# Altium PCB PCB1.PcbDoc (continued)
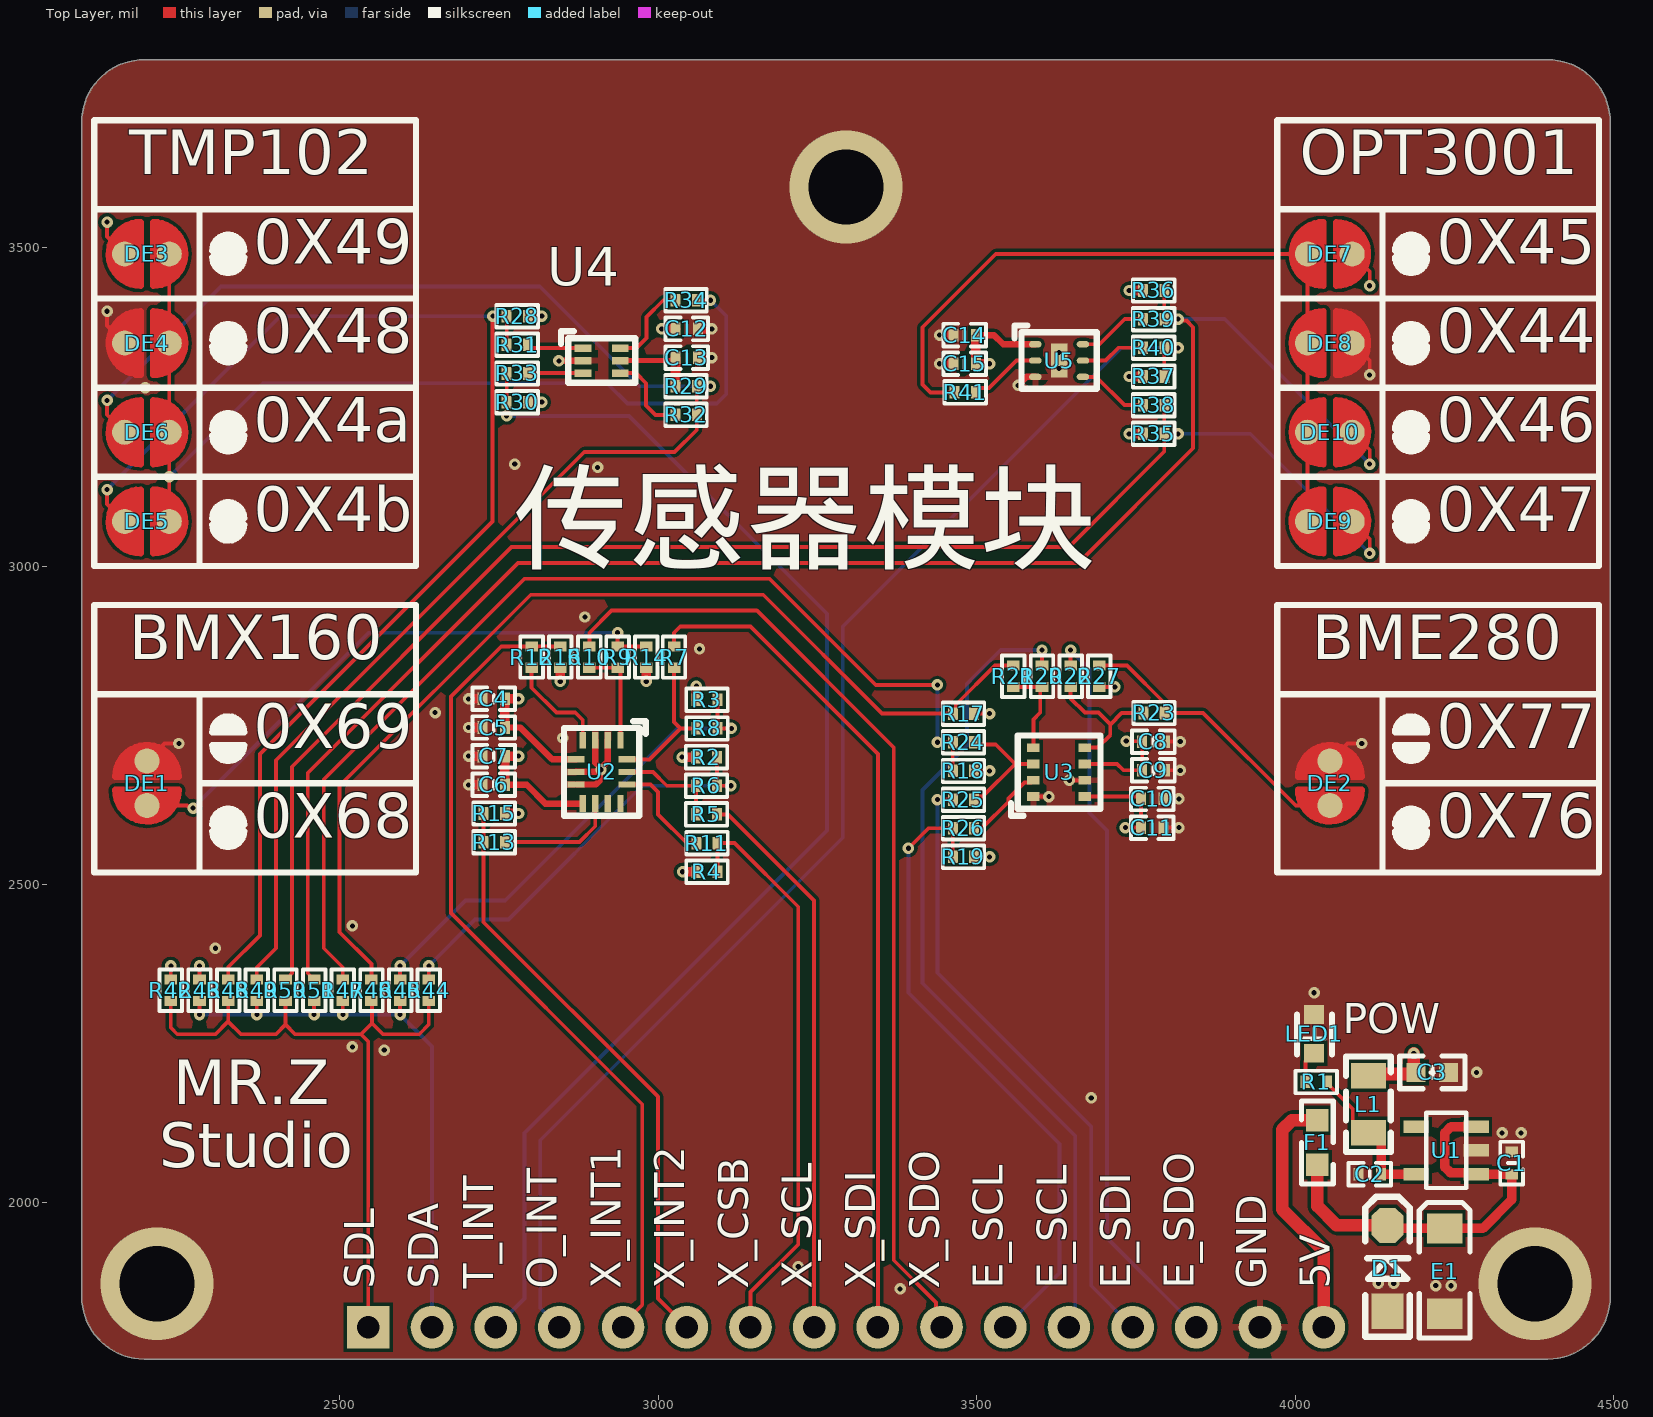
[diagram p0: Top Layer view]
## Components (designator, comment, footprint, x,y, rotation, side; value= is the part's Value field where it differs from the comment) (continued)
R32 "0" "R 0402_L" 3045,3237.28 r180 top
R33 "0" "R 0402_L" 2778.03,3302.29 r0 top
R34 "0" "R 0402_L" 3045,3417.28 r180 top
R35 "10K" "R 0402_L" 3777.05,3207.6 r0 top
R36 "10K" "R 0402_L" 3777.05,3432.6 r0 top
R37 "10K" "R 0402_L" 3777.05,3297.6 r0 top
R38 "0" "R 0402_L" 3779.01,3252.6 r180 top
R39 "0" "R 0402_L" 3779.01,3387.6 r180 top
R40 "0" "R 0402_L" 3779.01,3342.6 r180 top
R41 "0" "R 0402_L" 3481.3,3272.6 r0 top
R42 "10K" "R 0402_L" 2235,2335 r270 top
R43 "10K" "R 0402_L" 2280,2335 r270 top
R44 "0" "R 0402_L" 2640,2335 r270 top
R45 "0" "R 0402_L" 2595,2335 r270 top
R46 "0" "R 0402_L" 2550,2335 r270 top
R47 "0" "R 0402_L" 2505,2335 r270 top
R48 "0" "R 0402_L" 2325,2335 r270 top
R49 "0" "R 0402_L" 2370,2335 r270 top
R50 "0" "R 0402_L" 2415,2335 r270 top
R51 "0" "R 0402_L" 2460,2335 r270 top
U1 "ADP150" SOT23-5 4284.49,2045.2 r90 top
U2 "BMX160" BMX160 2860.79,2791.49 r270 top locked
U3 "BME280" BME280 3715,2663.1 r180 top
U4 "TMP102" TMP102 2912.28,3322.29 r0 top locked
U5 "OPT3001" OPT3001 3629.65,3322.6 r0 top locked

## Footprints (in the part's own frame and the unit in brackets; to place one, negate y for a bottom-side part, rotate by r counter-clockwise, add the part's x,y. Pads: shape width x height; smd on the part's side, far side on the other; paste and mask are expansions set on the pad)
BME280 [mm]
  rect 0.5x0.35 smd: 1(3.193,0.635) 2(3.193,-0.015) 3(3.193,-0.665) 4(3.193,-1.315) 5(1.143,-1.315) 6(1.143,-0.665) 7(1.143,-0.015) 8(1.143,0.635)
  silkscreen extent 0.52,-1.8 3.82,1.12, body extent 0.92,-1.59 3.42,0.91, height 0.93
BMX160 [mm]
  rect 0.675x0.25 smd: 1(1.651,2.032) 2(1.651,1.532) 3(1.651,1.032) 4(1.651,0.532) 8(4.176,0.532) 9(4.176,1.032) 10(4.176,1.532) 11(4.176,2.032)
  rect 0.25x0.675 smd: 5(2.414,0.27) 6(2.913,0.27) 7(3.413,0.27) 12(3.414,2.295) 13(2.913,2.295) 14(2.414,2.295)
  silkscreen extent 0.89,-0.22 4.66,3.05, body extent 1.39,0.01 4.39,2.51, height 0.82
"C 0402_L" [mm] "无极性贴片电容"
  rect 0.4x0.5 smd: 1(-0.45,0) 2(0.45,0)
  silkscreen extent -0.85,-0.45 0.85,0.45, body extent -0.5,-0.26 0.5,0.26, height 0.53
"C 0603_L" [mil] "无极性贴片电容"
  rect 30x30 smd: 1(-25.59,0) 2(25.59,0)
  silkscreen extent -51,-26 51,26, body extent -31,-16 31,16, height 32
"CD A(3216)" [mm] "长3.2mm，宽1.6mm，厚1.6mm"
  rect 1.2x1.4 smd: 1(-1.7,0) 2(1.7,0)
  silkscreen extent -2.74,-1.02 2.67,1.02, body extent -1.6,-0.8 1.6,0.8, height 1.6
DEBUG_A#1 [mm] "调试断点焊盘"
  round 1 smd paste-1: 1(-0.889,0) 2(0.889,0)
  Top Layer region: -0.254,1.27 -0.254,-1.27 -0.762,-1.143 -1.397,-0.508 -1.524,0.254 -1.27,0.762 -1.016,1.016 -0.508,1.27
  Top Layer region: 0.254,1.27 0.254,-1.27 0.762,-1.143 1.397,-0.508 1.524,0.254 1.27,0.762 1.016,1.016 0.508,1.27
  Top Layer lines w0.254: -0.254,1.27 ccw(c-0.254,0) -0.889,-1.1 ccw(c-0.254,0) -0.254,-1.27 -0.254,1.27 ; 0.254,1.27 cw(c0.254,0) 0.254,-1.27 0.254,1.27
DEBUG_A#2 [mm] "调试断点焊盘"
  round 1 smd paste-1: 1(-0.889,0) 2(0.889,0)
  Top Layer region: -0.254,1.27 -0.254,-1.27 -0.762,-1.143 -1.397,-0.508 -1.524,0.254 -1.27,0.762 -1.016,1.016 -0.508,1.27
  Top Layer region: 0.254,1.27 0.254,-1.27 0.762,-1.143 1.397,-0.508 1.524,0.254 1.27,0.762 1.016,1.016 0.508,1.27
  Top Layer lines w0.254: -0.254,1.27 ccw(c-0.254,0) -0.625,1.215 ccw(c-0.254,0) -0.889,1.1 ccw(c-0.254,0) -0.254,-1.27 -0.254,0.246 -0.254,1.27 ; 0.254,1.27 cw(c0.254,0) 0.254,-1.27 0.254,1.27
DEBUG_A#3 [mm] "调试断点焊盘"
  round 1 smd paste-1: 1(-0.889,0) 2(0.889,0)
  Top Layer region: -0.254,1.27 -0.254,-1.27 -0.762,-1.143 -1.397,-0.508 -1.524,0.254 -1.27,0.762 -1.016,1.016 -0.508,1.27
  Top Layer region: 0.254,1.27 0.254,-1.27 0.762,-1.143 1.397,-0.508 1.524,0.254 1.27,0.762 1.016,1.016 0.508,1.27
  Top Layer lines w0.254: 1.412,-0.523 ccw(c0.254,0) 0.254,1.27 0.254,-1.27 ccw(c0.254,0) 1.412,-0.523 ; -0.254,1.27 ccw(c-0.254,0) -0.889,1.1 ccw(c-0.254,0) -1.524,0 ccw(c-0.254,0) -0.254,-1.27 -0.254,1.27
DEBUG_A#4 [mm] "调试断点焊盘"
  round 1 smd paste-1: 1(-0.889,0) 2(0.889,0)
  Top Layer region: -0.254,1.27 -0.254,-1.27 -0.762,-1.143 -1.397,-0.508 -1.524,0.254 -1.27,0.762 -1.016,1.016 -0.508,1.27
  Top Layer region: 0.254,1.27 0.254,-1.27 0.762,-1.143 1.397,-0.508 1.524,0.254 1.27,0.762 1.016,1.016 0.508,1.27
  Top Layer lines w0.254: 0.254,1.27 cw(c0.254,0) 0.254,-1.27 0.254,1.27 ; -0.254,1.27 ccw(c-0.254,0) -0.889,1.1 ccw(c-0.254,0) -0.889,-1.1 ccw(c-0.254,0) -0.254,-1.27 -0.254,1.27
DEBUG_A#5 [mm] "调试断点焊盘"
  round 1 smd paste-1: 1(-0.889,0) 2(0.889,0)
  Top Layer region: -0.254,1.27 -0.254,-1.27 -0.762,-1.143 -1.397,-0.508 -1.524,0.254 -1.27,0.762 -1.016,1.016 -0.508,1.27
  Top Layer region: 0.254,1.27 0.254,-1.27 0.762,-1.143 1.397,-0.508 1.524,0.254 1.27,0.762 1.016,1.016 0.508,1.27
  Top Layer lines w0.254: 1.412,-0.523 cw(c0.254,0) 0.254,-1.27 0.254,1.27 cw(c0.254,0) 1.412,-0.523 ; -0.254,1.27 ccw(c-0.254,0) -0.889,-1.1 ccw(c-0.254,0) -0.254,-1.27 -0.254,1.27
"FU 0603" [mil] "贴片保险丝"
  rect 35x35 smd: 1(-35,0) 2(35,0)
  silkscreen extent -65,-25 65,25, body extent -31,-16 31,16, height 20
HDR2.54-LI-16P [mm] "排针，16脚"
  rect 1.7x1.7 hole 0.9: 1(-19.05,0)
  round 1.7 hole 0.9: 2(-16.51,0) 3(-13.97,0) 4(-11.43,0) 5(-8.89,0) 6(-6.35,0) 7(-3.81,0) 8(-1.27,0) 9(1.27,0) 10(3.81,0) 11(6.35,0) 12(8.89,0) 13(11.43,0) 14(13.97,0) 15(16.51,0) 16(19.05,0)
  silkscreen extent -20.32,-1.27 20.32,1.27, body extent -20.32,-1.27 20.32,1.27, height 8.5
"L 0805" [mil] "小功率贴片电感"
  rect 40x55 smd: 1(-45,0) 2(45,0)
  silkscreen extent -75,-35 75,35, body extent -39,-24 39,24, height 35
LED [mm]
  rect 0.75x0.8 smd: 1(1.55,0) 2(0,0)
  silkscreen extent 0,-0.69 1.6,0.71
OPT3001 [mm]
  rect 0.65x1.35 smd: 0(0,0)
  rrect100% 0.5x0.25 smd: 1(-0.95,0.65) 2(-0.95,0) 3(-0.95,-0.65) 4(0.95,-0.65) 5(0.95,0) 6(0.95,0.65)
  silkscreen extent -1.78,-1.13 1.5,1.4, body extent -1,-1 1,1, height 0.55
"R 0402_L" [mm] "1/16W贴片电阻"
  rect 0.4x0.5 smd: 1(-0.4,0) 2(0.45,0)
  silkscreen extent -0.8,-0.45 0.85,0.45, body extent -0.5,-0.25 0.5,0.25, height 0.3
SOD-123 [mil] "2.7x1.6X1.1mm（长宽高，不包括引脚）"
  rect 55x50 smd: 1(-67.5,0)
  oct 55x50 smd: 2(67.5,0)
  silkscreen extent -108,-35 112,35, body extent -73,-31 73,31, height 48
SOT23-5 [mm]
  rect 0.5x1 smd: 1(0,0) 2(0.95,0) 3(1.9,0) 4(1.9,2.4) 5(0,2.4)
  silkscreen extent -0.55,0.4 2.45,2, body extent -0.5,-0.2 2.4,2.6, height 1.09
TMP102 [mm]
  rect 0.67x0.3 smd: 1(-0.762,0.508) 2(-0.762,0.008) 3(-0.762,-0.492) 4(0.718,-0.492) 5(0.718,0.008) 6(0.718,0.508)
  silkscreen extent -1.64,-0.88 1.31,1.18, body extent -0.62,-0.79 0.58,0.81, height 0.6

## Part data
C1 C2 C3 C4 C6 C8 C10 C12 C14: library part C, "贴片电容", 主类型=电容, 值精度=±10%, 具体类型=陶瓷电容, 封装类型=贴片, 温度漂移=X5R, 生产商=SAMSUNG(三星)
  C1 C2 C4 C6 C8 C10 C12 C14: 值/型号=1uF/16V, 元件封装=0402, 生产商零件编码=CL05A105KO5NNNC, 立创编号=C29266
  C3: 值/型号=10uF/16V, 元件封装=0603, 生产商零件编码=CL10A106MO8NQNC, 立创编号=C92487
C5 C7 C9 C11 C13 C15: library part C, "无极性贴片电容", 主类型=电容, 值/型号=100nF/16V, 封装类型=贴片, 生产商=YAGEO(国巨), 生产商零件编码=CC0402KRX7R7BB104, 立创编号=C60474
D1: library part IN4735A, 主类型=二极管, 值/型号=BZT52C15, 元件封装=SOD-123, 具体类型=稳压二极管, 封装类型=贴片, 生产商=MDD, 生产商零件编码=BZT52C15, 立创编号=C173427
DE1 DE2 DE3 DE4 DE5 DE6 DE7 DE8 DE9 DE10: library part DEBUG, "调试断点焊盘", BOM名称=调试断点焊盘, 学习资源=www.ooocke.com, 版权归属=源创客
E1: library part C-CD, "聚合物电容 4.7uF/16V", 主类型=电容, 值/型号=4.7uF/16V, 值精度=±20%, 元件封装=CASE-A_3216, 具体类型=聚合物电容, 封装类型=贴片, 温度范围="-55℃ ~ +105℃", 生产商=Sunlord(顺络), 生产商零件编码=TC211A475M016A, 立创编号=C136628
F1: library part FU, "贴片保险丝", BOM名称=贴片保险丝, 学习资源=www.ooocke.com, 版权归属=源创客
JP1: library part "Header 16", "16P接插件", BOM名称=16P接插件, 学习资源=www.ooocke.com, 版权归属=源创客
L1: library part L, "小功率贴片电感", 主类型=电感, 值/型号=GZ2012D121TF, 生产商=Sunlord(顺络), 生产商零件编码=GZ2012D121TF, 立创编号=C38480
LED1: library part LED-SMD, "C84267"
R1: library part R, "贴片电阻 0402 5%", 主类型=电阻, 值/型号=15K, 值精度=±1%, 元件封装=0402, 具体类型=贴片电阻, 封装类型=贴片, 温度漂移=50ppm, 生产商=国巨, 生产商零件编码=RT0402FRE0715KL, 立创编号=C136975
R2 R3 R4 R14 R15 R16 R17 R18 R19 R27 R28 R29 R30 R35 R36 R37 R42 R43: library part R, "贴片电阻 0402 1%", 主类型=电阻, 值/型号=10K, 值精度=±1%, 元件封装=0402, 具体类型=贴片电阻, 封装类型=贴片, 温度漂移=±100ppm/℃, 生产商=国巨, 生产商零件编码=RC0402FR-0710KL, 立创编号=C60490
R5 R6 R7 R8 R9 R10 R11 R12 R13 R20 R21 R22 R23 R24 R25 R26 R31 R32 R33 R34 R38 R39 R40 R41 R44 R45 R46 R47 R48 R49 R50 R51: library part R, "贴片电阻", 主类型=电阻, 值/型号=0
  R5 R6 R7 R8 R9 R10 R11 R12 R13: 元件封装=0402, 封装类型=贴片, 生产商=YAGEO（国巨）, 生产商零件编码=RC0402FR-0710KL, 立创编号=C60490
  R20 R21 R22 R23 R24 R25 R26 R31 R32 R33 R34 R38 R39 R40 R41: 元件封装=0402, 生产商=YAGEO(国巨), 生产商零件编码=RC0402JR-070RL, 立创编号=C60485
  R44 R45 R46 R47 R48 R49 R50 R51: 生产商=YAGEO（国巨）, 生产商零件编码=RC0402JR-070RL, 立创编号=C60485
U1: "ADP150AUJZ-3.3-R7", 主类型=电源芯片, 值/型号=ADP150AUJZ-3.3-R7, 元件封装=SOT-23-5, 具体类型=线性稳压芯片, 封装类型=贴片, 生产商=ADI(亚德诺)/LINEAR, 生产商零件编码=ADP150AUJZ-3.3-R7, 立创编号=C29149

## Via types
v1: diameter 18, hole 8, Top Layer to Bottom Layer, tented both sides, 100 vias
v2: diameter 177.17, hole 118.11, Top Layer to Bottom Layer, 3 vias

## Nets (pads, with @x,y where several pads share a name; then routed paths per layer and width w, separated by ;. In a path a pad name is that pad's centre, name@x,y a point inside that pad or via, vN(x,y) a via of type N, cw(c..) or ccw(c..) an arc to the next point about the centre after c; other vN are vias at no path point)
3V3: C3.2 C4.2 C5.1 C6.2 C7.1 C8.2 C9.1 C10.2 C11.1 C12.2 C13.1 C14.2 C15.1 DE3.2 DE7.2 L1.2 R2.1 R3.1 R4.1 R14.1 R15.1 R16.1 R17.1 R18.1 R19.1 R27.1 R28.1 R29.1 R30.1 R35.1 R36.1 R37.1 R42.1 R43.1 U2.5 U2.8 U3.6 U3.8 U4.5 U5.1 | length 1652.9
  Top Layer w6: v1(2135,3540) 2135,3517.5 2141.93,3510.57 DE3.2 ; R42.1 v1(2235,2372.29) ; R43.1 v1(2280,2372.29) ; R19.1 v1(3520.45,2543.29) ; R18.1 v1(3520.45,2678.28) ; R17.1 v1(3520.45,2768.28) ; U3.8 3754.22,2638.1 C10.2 C11.1 v1(3733.76,2589.29) ; U3.6 3720.72,2689.28 3730.72,2679.28 C9.1 C8.2 3759.28,2725 v1(3735,2725) ; R27.1 v1(3716.99,2810.25) ; DE7.2 4117.2,3462.5 v1(4117.2,3440)
  Top Layer w8: U4.5 3023.41,3322.6 3027.28,3326.48 C13.1
  Top Layer w10: C6.2 2793.51,2656.49 2822.92,2627.08 U2.8 ; C5.1 2783.51,2746.49 2833.53,2696.47 U2.5 ; C14.2 3527.4,3362.6 3541.81,3348.19 U5.1
  Top Layer w15: R15.1 v1(2781.1,2611.49) ; C6.2 C7.1 v1(2781.1,2701.49) ; C5.1 C4.2 v1(2781.1,2791.49) ; R30.1 v1(2817.29,3257.29) ; R28.1 v1(2817.29,3392.29) ; v1(2846.42,2818.77) R16.1 ; v1(2981.42,2818.77) R14.1 ; v1(3005.74,3372.29) C12.2 ; R29.1 C13.1 ; v1(3037.71,2700) R2.1 ; v1(3038.46,2519.99) R4.1 ; R3.1 v1(3060,2811.54) ; C14.2 C15.1 v1(3520.55,3317.6) ; v1(3739.76,3207.6) R35.1 ; v1(3739.76,3297.6) R37.1 ; v1(3739.76,3432.6) R36.1
  Top Layer w20: L1.2 4117.5,2202.5 4187.5,2202.5 C3.2 4186.41,2208.59 v1(4186.41,2234.72)
+5_IN: F1.1 JP1.16 | length 398.1
  Top Layer w20: F1.1 3995,2130 3980,2115 3980,1990 4045,1925 JP1.16
+5V: C1.2 D1.2 E1.1 F1.2 U1.1 U1.3 | length 650.7
  Top Layer w15: D1.2@4152.47,1960 E1.1 4295,1960 4340,2005 C1.2 4339.9,2045.1 4295.1,2045.1 4295,2045 4294.8,2045.2 U1.1 4282.15,2047.54 4243.79,2047.54 4235,2056.33 4235,2110 4245,2120 U1.3
  Top Layer w20: F1.2 4035,1995 4065,1965 D1.2
BME280_ADD: DE2.1 R23.1 R27.2 | length 462
  Top Layer w6: R27.2 3736.29,2843.71 3795.39,2784.61 R23.1 R23.1 3855.72,2769.28 4001.1,2623.9 4011.4,2623.9 DE2.1
BME280_CSB: JP1.11 R19.2 R26.1 | length 1013
  Top Layer w6: v1(3393,2557) 3424.28,2588.28 R26.1 R19.2
  Bottom Layer w6: v1(3393,2557) 3393,2329.98 3630,2092.98 3630,1890 JP1.11
BME280_SCL: JP1.12 R20.1 | length 1306.5
  Top Layer w6: R20.1 v1(3602.71,2867.99)
  Bottom Layer w6: v1(3602.71,2867.99) 3537.99,2867.99 3485,2815 3485,2718.31 3415,2648.31 3415,2345 3655,2105 3655,1815 JP1.12
BME280_SDA: R18.2 R24.1 R47.1 | length 1648.9
  Top Layer w6: R47.1 2505,2370 2475,2400 2475,2665 2790,2980 3175,2980 3341.72,2813.28 v1(3438.44,2813.28) ; v1(3438.44,2723.28) R24.1 R18.2
  Bottom Layer w6: v1(3438.44,2723.28) v1(3438.44,2813.28)
BME280_SDI: JP1.13 R25.1 | length 979.5
  Top Layer w6: v1(3438.44,2633.27) R25.1
  Bottom Layer w6: v1(3438.44,2633.27) 3438.44,2361.56 3680,2120 3680,1870 JP1.13
BME280_SDL: R17.2 R21.1 R46.1 | length 1621
  Top Layer w6: R46.1 2550,2375 2500,2425 2500,2655 2800,2955 3165,2955 3351.72,2768.28 R17.2 3467.22,2772.79 3467.22,2782.22 3528.71,2843.71 R21.1
BME280_SDO: JP1.14 R22.1 | length 1169
  Top Layer w6: R22.1 v1(3647.71,2867.99)
  Bottom Layer w6: v1(3647.71,2867.99) 3677.5,2838.19 3677.5,2612.5 3705,2585 3705,1945 JP1.14
BMX160_ADD: DE1.1 R9.1 R14.2 | length 923
  Top Layer w6: DE1.1 2199.8,2621.6 2238.51,2621.6 2240.8,2623.9 2260.49,2623.9 2262.09,2622.3 2267.7,2622.3 v1(2270,2620) ; v1(2936.42,2895.31) R9.1 R14.2
  Bottom Layer w6: v1(2270,2620) 2545.31,2895.31 v1(2936.42,2895.31)
BMX160_CSB: JP1.7 R4.2 R11.1 | length 904
  Top Layer w6: R4.2 R11.1 3120,2565 3220,2465 3220,1935 3145,1860 JP1.7
BMX160_INT1: JP1.5 R12.1 R16.2 | length 1330.7
  Top Layer w6: R16.2 R12.1 2753.78,2873.78 2675,2795 2675,2455 2975,2155 2975,1840.08 2945,1810.08 JP1.5
BMX160_INT2: JP1.6 R13.1 R15.2 | length 938.6
  Top Layer w6: R15.2 R13.1 2726.1,2440.81 3000,2166.91 3000,1850 JP1.6
BMX160_SCL: JP1.8 R5.1 | length 878.2
  Top Layer w6: R5.1 3110,2610 3245,2475 JP1.8
BMX160_SDA: R3.2 R8.1 R45.1 | length 762.5
  Top Layer w6: R45.1 v1(2595,2372.29) ; R3.2 R8.1 v1(3115,2745)
  Bottom Layer w6: v1(2595,2372.29) 2697.71,2475 2760,2475 3030,2745 v1(3115,2745)
BMX160_SDI: JP1.9 R7.1 | length 1328.4
  Top Layer w6: R7.1 3025,2895.32 3034.68,2905 3145,2905 3345,2705 JP1.9
BMX160_SDL: R2.2 R6.1 R44.1 | length 679.4
  Top Layer w6: R44.1 v1(2640,2372.29) ; R2.2 R6.1 v1(3114.25,2655)
  Bottom Layer w6: v1(2640,2372.29) 2712.71,2445 2765,2445 2975,2655 v1(3114.25,2655)
BMX160_SDO: JP1.10 R10.1 | length 1543.9
  Top Layer w6: R10.1 2892.13,2895.32 2926.82,2930 3155,2930 3370,2715 3370,1910 3436.05,1843.95 3436.05,1813.95 JP1.10
GND: C1.1 C2.1 C3.1 C4.1 C5.2 C6.1 C7.2 C8.1 C9.2 C10.1 C11.2 C12.1 C13.2 C14.1 C15.2 D1.1 DE1.2 DE2.2 DE4.2 DE8.2 E1.2 JP1.15 LED1.2 U1.2 U2.2 U2.3 U2.6 U2.7 U3.1 U3.7 U4.2 U5.0 U5.3 | length 830.8
  Top Layer w6: v1(2135,3400) 2135,3377.5 DE4.2 ; DE1.2 2225,2721.4 v1(2247.5,2721.4) ; U3.1 v1(3613.57,2638.1) ; v1(3645.72,2663.69) U3.7 ; C11.2 v1(3817.74,2589.28) ; C10.1 v1(3817.74,2634.28) ; C9.2 v1(3819.7,2679.28) ; C8.1 v1(3819.7,2724.28) ; DE2.2 4082.2,2721.4 v1(4104.7,2721.4) ; DE8.2 4117.2,3322.5 v1(4117.2,3300)
  Top Layer w10: v1(2844.17,3322.05) 2844.45,3322.33 2882.01,3322.33 U4.2 ; U2.7 2902.1,2657.1 2908.84,2663.84 2908.84,2678.66 v1(2910.37,2680.19) ; U2.6 2904.79,2676.78 2908.2,2680.19 v1(2910.37,2680.19) ; U2.3 2901.42,2691.31 v1@2910.37,2682.36 ; U2.2 2921.1,2693.09 v1@2910.37,2682.36 ; v1(3565.09,3283.54) 3578.57,3297.01 U5.3 ; v1(2910.37,2680.19) v1@2910.37,2682.36
  Top Layer w15: v1(2702.59,2656.49) C6.1 ; v1(2702.6,2701.49) C7.2 ; v1(2702.6,2746.49) C5.2 ; v1(2702.59,2791.49) C4.1 ; C13.2 v1(3084.25,3327.28) ; C12.1 v1(3084.25,3372.28) ; v1(3442.04,3317.6) C15.2 ; v1(3442.04,3362.6) C14.1
  other v1: 3380,1865 4220.87,1870.17 4245,1870 4130.87,1874.03 4155,1873.86 3220,1900 4325,2110 4355,2110 3680,2165 4285,2205 2570,2240 2520,2245 4030,2330 2305,2400 2520,2435 2850,2730 2650,2770 3065,2870 2885,2920 2905,3155 2775,3160 2195,3280 3629.65,3310.1 3629.65,3335.1
  other v2: 2213.11,1873.11 4376.89,1873.11 3295,3595
NetC2_2: C2.2 L1.1 R1.1 U1.5 | length 244.1
  Top Layer w6: R1.1 4050,2188.03 4090.5,2147.53 4090.5,2127 4107.5,2110 L1.1
  Top Layer w15: L1.1 4122.5,2110 4135,2097.5 C2.2 4135.1,2045.1 4189.9,2045.1 U1.5
NetLED1_1: LED1.1 R1.2 | length 51.2
  Top Layer w6: R1.2 4016.54,2222.52 4029.02,2235 LED1.1
NetR5_2: R5.2 R6.2 U2.13 | length 162.1
  Top Layer w6: U2.13 2991.78,2676.78 3013.57,2655 R6.2 R5.2
NetR7_2: R7.2 R8.2 U2.14 | length 228.4
  Top Layer w6: U2.14 2986.47,2696.47 3035,2745 ; R7.2 3025,2755.01 3035,2745 ; R8.2 3035,2745
NetR9_2: R9.2 R10.2 U2.1 | length 159.9
  Top Layer w6: R10.2 R9.2 2940.79,2835.94 U2.1
NetR11_2: R11.2 U2.12 | length 167.5
  Top Layer w6: U2.12 2987.9,2657.1 3000,2645 3000,2610 3045,2565 R11.2
NetR12_2: R12.2 U2.4 | length 164.5
  Top Layer w6: R12.2 2801.41,2808.9 2840.31,2770 2870,2770 2881.73,2758.27 U2.4
NetR13_2: R13.2 U2.9 | length 187.8
  Top Layer w6: R13.2 2876.49,2566.49 2901.42,2591.42 U2.9
NetR20_2: R20.2 R21.2 U3.4 | length 142.3
  Top Layer w6: R21.2 3557.96,2810 3602.46,2810 R20.2 ; U3.4 3589.29,2759.29 3600,2770 R20.2@3600,2807.54
NetR22_2: R22.2 R23.2 U3.5 | length 221.3
  Top Layer w6: R22.2 3647.71,2792.29 3670,2770 3691.49,2770 3710,2751.49 ; U3.5 3689.87,2714.87 3710,2735 3710,2751.49 ; R23.2 3727.8,2769.28 3710,2751.49
NetR24_2: R24.2 R25.2 U3.3 | length 194.9
  Top Layer w6: R25.2 3501.01,2638.1 3509.54,2638.1 3560.72,2689.28 ; R24.2 3499.45,2720 3530,2720 3560.72,2689.28 ; U3.3 3560.72,2689.28
NetR26_2: R26.2 U3.2 | length 127.3
  Top Layer w6: R26.2 3497.43,2589.54 3509.54,2589.54 3550,2630 3550,2635 3575.26,2660.26 3585.86,2660.26 U3.2
NetR31_2: R31.2 U4.1 | length 88.7
  Top Layer w6: R31.2 2795.75,3347.16 2800.62,3342.29 U4.1
NetR32_2: R32.2 U4.4 | length 134.4
  Top Layer w6: U4.4 2965.08,3302.92 2981,3287 2981,3252 2995.71,3237.29 R32.2
NetR33_2: R33.2 U4.3 | length 86.8
  Top Layer w6: R33.2 2796.38,3302.92 U4.3
NetR34_2: R34.2 U4.6 | length 137.1
  Top Layer w6: U4.6 2966.29,3342.29 2982,3358 2982,3391 3008.19,3417.19 3027.19,3417.19 R34.2
NetR38_2: R38.2 U5.4 | length 112.6
  Top Layer w6: U5.4 3687.99,3297.01 3732.4,3252.6 R38.2
NetR39_2: R39.2 U5.6 | length 110.6
  Top Layer w6: U5.6 3693.19,3348.19 3732.6,3387.6 R39.2
NetR40_2: R40.2 U5.5 | length 102.5
  Top Layer w6: U5.5 3702.6,3322.6 3722.6,3342.6 R40.2
NetR41_2: R41.2 U5.2 | length 115.1
  Top Layer w6: R41.2 3499.01,3274.57 3503.88,3279.44 3519.44,3279.44 3562.6,3322.6 U5.2
OPT3001_ADD: DE7.1 DE8.1 DE9.1 DE10.1 R41.1 | length 1218
  Top Layer w6: R41.1 3427.4,3272.6 3415,3285 3415,3375 3530,3490 3994.7,3490 DE7.1 4019.7,3446.7 4019.7,3393.3 DE8.1 4019.7,3306.7 4019.7,3253.3 DE10.1 4019.7,3166.7 4019.7,3113.3 DE9.1
OPT3001_INT: JP1.4 R37.2 R40.1 | length 2083.3
  Top Layer w6: R37.2 R40.1 v1(3816.3,3342.6)
  Bottom Layer w6: JP1.4 2815,1835 2815,2098.43 3290,2573.43 3290,2905 3727.6,3342.6 v1(3816.3,3342.6)
OPT3001_SDA: DE10.2 R36.2 R39.1 R51.1 | length 2674
  Top Layer w6: R51.1 2458.03,2350.75 2453.15,2355.63 2453.15,2357.59 2450,2360.75 2450,2675 2780,3005 3660,3005 3840,3185 3840,3375 3829.37,3385.63 3816.3,3385.63 3794.76,3385.63 R36.2 ; DE10.2 4110.28,3189.43 4117.2,3182.5 v1(4117.2,3160)
  Bottom Layer w6: v1(3816.3,3387.6) 3889.6,3387.6 v1(4117.2,3160)
OPT3001_SDL: DE9.2 R35.2 R38.1 R50.1 | length 2448.6
  Top Layer w6: R50.1 2416.97,2350.75 2421.84,2355.63 2421.84,2357.59 2425,2360.75 2425,2685 2770,3030 3645,3030 3794.76,3179.76 R35.2 ; R38.1 R35.2 ; v1(3816.3,3207.6) R35.2 ; DE9.2 4110.28,3049.43 4117.2,3042.5 v1(4117.2,3020)
  Bottom Layer w6: v1(3816.3,3207.6) 3929.61,3207.6 v1(4117.2,3020)
SDA: JP1.2 R43.2 R45.2 R47.2 R49.2 R51.2 | length 934.2
  Top Layer w6: v1(2280,2295.75) R43.2 ; v1(2370,2295.75) R49.2 ; v1(2460,2295.75) R51.2 ; v1(2505,2295.75) R47.2 ; v1(2595,2295.75) R45.2
  Bottom Layer w6: v1(2280,2295.75) v1(2370,2295.75) v1(2460,2295.75) v1(2505,2295.75) v1(2595,2295.75) 2645,2245.75 JP1.2
SDL: JP1.1 R42.2 R44.2 R46.2 R48.2 R50.2 | length 1107.9
  Top Layer w6: R42.2 2235,2275 2245,2265 2305,2265 2325,2285 ; R48.2 2325,2285 ; R50.2 2415,2280 ; JP1.1 2545,2253.51 2533.51,2265 ; R46.2 2550.73,2316.55 2550.73,2282.22 ; R44.2 2640,2280 2625,2265 2567.95,2265 2550.73,2282.22 ; 2325,2285 2344.99,2265 2400,2265 2415,2280 ; 2415,2280 2429.99,2265 2533.51,2265 ; 2533.51,2265 2550.73,2282.22
TMP102_ADD: DE3.1 DE4.1 DE5.1 DE6.1 R34.1 | length 1553.9
  Top Layer w6: DE5.1 2232.5,3113.3 v1(2232.5,3140) 2232.5,3166.7 DE6.1 2232.5,3253.3 2232.5,3306.7 DE4.1 2232.5,3393.3 2232.5,3446.7 DE3.1 ; R34.1 v1(3082.29,3417.29)
  Bottom Layer w6: v1(2232.5,3140) 2379.5,3287 2920,3287 2952,3255 3092,3255 3107,3270 3107,3392.57 v1(3082.29,3417.29)
TMP102_INT: JP1.3 R30.2 R33.1 | length 2033.4
  Top Layer w6: v1(2762.28,3235.75) R30.2 R33.1
  Bottom Layer w6: JP1.3 2790,1850 2790,2110 3265,2585 3265,2925 2954.25,3235.75 v1(2762.28,3235.75)
TMP102_SDA: DE6.2 R29.2 R32.1 R49.1 | length 2470
  Top Layer w6: v1(2135,3260) 2135,3237.5 2141.93,3230.57 DE6.2 ; R49.1 2370,2370 2400,2400 2400,2695 2884,3179 3026,3179 3060.75,3213.75 R32.1 R29.2 v1(3082.29,3282.29)
  Bottom Layer w6: v1(2135,3260) 2313.83,3438.83 2814.17,3438.83 2970.71,3282.29 v1(3082.29,3282.29)
TMP102_SDL: DE5.2 R28.2 R31.1 R48.1 | length 2058.2
  Top Layer w6: v1(2135,3120) 2135,3097.5 2141.93,3090.57 DE5.2 ; R48.1 2325,2370 2375,2420 2375,2705 2740,3070 2740,3391.54 v1(2740.74,3392.29) R28.2 ; R31.1 R28.2@2762.28,3390.32
  Bottom Layer w6: v1(2135,3120) 2407.29,3392.29 v1(2740.74,3392.29)
pads on no net: U1.4 U2.10 U2.11

## Polygon pours and split planes (outlines as drawn)
GND on Bottom Layer "NONET_L-01_P-001" (solid, remove dead copper, pour order 1): 2193.42,3795 ccw(c2193.42,3696.57) 2095,3696.57 2095,1853.43 ccw(c2193.42,1853.43) 2193.42,1755 4396.57,1755 ccw(c4396.57,1853.43) 4495,1853.43 4495,3696.57 ccw(c4396.57,3696.57) 4396.57,3795
GND on Top Layer "NONET_L-01_P-001" (solid, remove dead copper, pour order 0): 2193.42,3795 ccw(c2193.42,3696.57) 2095,3696.57 2095,1853.43 ccw(c2193.42,1853.43) 2193.42,1755 4396.57,1755 ccw(c4396.57,1853.43) 4495,1853.43 4495,3696.57 ccw(c4396.57,3696.57) 4396.57,3795
GND on GND (split plane): 4404.26,3774.62 4411.87,3773.49 4419.34,3771.62 4426.58,3769.03 4433.54,3765.73 4440.14,3761.78 4446.32,3757.19 4452.03,3752.03 4457.19,3746.32 4461.78,3740.14 4465.73,3733.54 4469.02,3726.58 4471.62,3719.34 4473.49,3711.87 4474.62,3704.26 4474.96,3697.19 4474.9,3696.57 4474.9,1853.43 4474.96,1852.81 4474.62,1845.74 4473.49,1838.13 4471.62,1830.66 4469.02,1823.42 4465.73,1816.46 4461.78,1809.86 4457.19,1803.68 4452.03,1797.97 4446.32,1792.81 4440.14,1788.22 4433.54,1784.27 4426.58,1780.97 4419.34,1778.38 4411.87,1776.51 4404.26,1775.38 4397.19,1775.04 4396.57,1775.1 2193.42,1775.1 2192.81,1775.04 2185.74,1775.38 2178.13,1776.51 2170.66,1778.38 2163.41,1780.97 2156.46,1784.27 2149.86,1788.22 2143.68,1792.81 2137.97,1797.97 2132.81,1803.68 2128.22,1809.86 2124.26,1816.46 2120.97,1823.42 2118.38,1830.66 2116.51,1838.13 2115.38,1845.74 2115.04,1852.81 2115.1,1853.43 2115.1,3696.57 2115.04,3697.19 2115.38,3704.26 2116.51,3711.87 2118.38,3719.34 2120.97,3726.58 2124.26,3733.54 2128.22,3740.14 2132.81,3746.32 2137.97,3752.03 2143.68,3757.19 2149.86,3761.78 2156.46,3765.73 2163.41,3769.03 2170.66,3771.62 2178.13,3773.49 2185.74,3774.62 2192.81,3774.96 2193.42,3774.9 4396.57,3774.9 4397.19,3774.96
3V3 on POW (split plane): 4404.26,3774.62 4411.87,3773.49 4419.34,3771.62 4426.58,3769.03 4433.54,3765.73 4440.14,3761.78 4446.32,3757.19 4452.03,3752.03 4457.19,3746.32 4461.78,3740.14 4465.73,3733.54 4469.02,3726.58 4471.62,3719.34 4473.49,3711.87 4474.62,3704.26 4474.96,3697.19 4474.9,3696.57 4474.9,1853.43 4474.96,1852.81 4474.62,1845.74 4473.49,1838.13 4471.62,1830.66 4469.02,1823.42 4465.73,1816.46 4461.78,1809.86 4457.19,1803.68 4452.03,1797.97 4446.32,1792.81 4440.14,1788.22 4433.54,1784.27 4426.58,1780.97 4419.34,1778.38 4411.87,1776.51 4404.26,1775.38 4397.19,1775.04 4396.57,1775.1 2193.42,1775.1 2192.81,1775.04 2185.74,1775.38 2178.13,1776.51 2170.66,1778.38 2163.41,1780.97 2156.46,1784.27 2149.86,1788.22 2143.68,1792.81 2137.97,1797.97 2132.81,1803.68 2128.22,1809.86 2124.26,1816.46 2120.97,1823.42 2118.38,1830.66 2116.51,1838.13 2115.38,1845.74 2115.04,1852.81 2115.1,1853.43 2115.1,3696.57 2115.04,3697.19 2115.38,3704.26 2116.51,3711.87 2118.38,3719.34 2120.97,3726.58 2124.26,3733.54 2128.22,3740.14 2132.81,3746.32 2137.97,3752.03 2143.68,3757.19 2149.86,3761.78 2156.46,3765.73 2163.41,3769.03 2170.66,3771.62 2178.13,3773.49 2185.74,3774.62 2192.81,3774.96 2193.42,3774.9 4396.57,3774.9 4397.19,3774.96

## Silkscreen, mask and mechanical layers (free items; w line width, h text height)
Top Overlay:
  drawing of 156 lines, arcs and shapes, not listed
  text "TMP102" at 2170,3591.28 h120
  text "OPT3001" at 4007.2,3591.39 h120
  text "0X49" at 2365,3451.28 h120
  text "0X45" at 4222.2,3451.28 h120
  text "0X48" at 2365,3311.28 h120
  text "0X44" at 4222.2,3311.28 h120
  text "0X4a" at 2365,3171.28 h120
  text "0X46" at 4222.2,3171.28 h120
  text "0X4b" at 2365,3031.28 h120
  text "0X47" at 4222.2,3031.28 h120
  text "传感器模块" at 2770,2966.71 h230
  text "BMX160" at 2170,2830.17 h120
  text "BME280" at 4027.2,2830.17 h120
  text "0X69" at 2365,2690.17 h120
  text "0X77" at 4222.2,2690.17 h120
  text "0X68" at 2365,2550.17 h120
  text "0X76" at 4222.2,2550.17 h120
  text "POW" at 4075,2250.85 h80
  text "MR.Z" at 2238.45,2131.43 h120
  text "Studio" at 2216.51,2032.7 h120
  text "SDL" at 2570.25,1865 h80 r90
  text "SDA" at 2670.25,1865 h80 r90
  text "T_INT" at 2756.89,1865 h80 r90
  text "O_INT" at 2856.89,1865 h80 r90
  text "X_INT1" at 2956.89,1865 h80 r90
  text "X_INT2" at 3056.89,1865 h80 r90
  text "X_CSB" at 3156.89,1865 h80 r90
  text "X_SCL" at 3256.89,1865 h80 r90
  text "X_SDI" at 3356.89,1865 h80 r90
  text "X_SDO" at 3456.89,1865 h80 r90
  text "E_SCL" at 3556.89,1865 h80 r90
  text "E_SCL" at 3656.89,1865 h80 r90
  text "E_SDI" at 3756.89,1865 h80 r90
  text "E_SDO" at 3856.89,1865 h80 r90
  text "GND" at 3970.25,1865 h80 r90
  text "5V" at 4070.25,1865 h80 r90
Mechanical 1:
  the board outline again, w10
Mechanical 2:
  lines w10: 2095,2390 4495,2390 ; 2095,2980 4495,2980 ; 3295,2390 3295,3790